# KiCad board jlcpcb_1x1.kicad_pcb (continued)
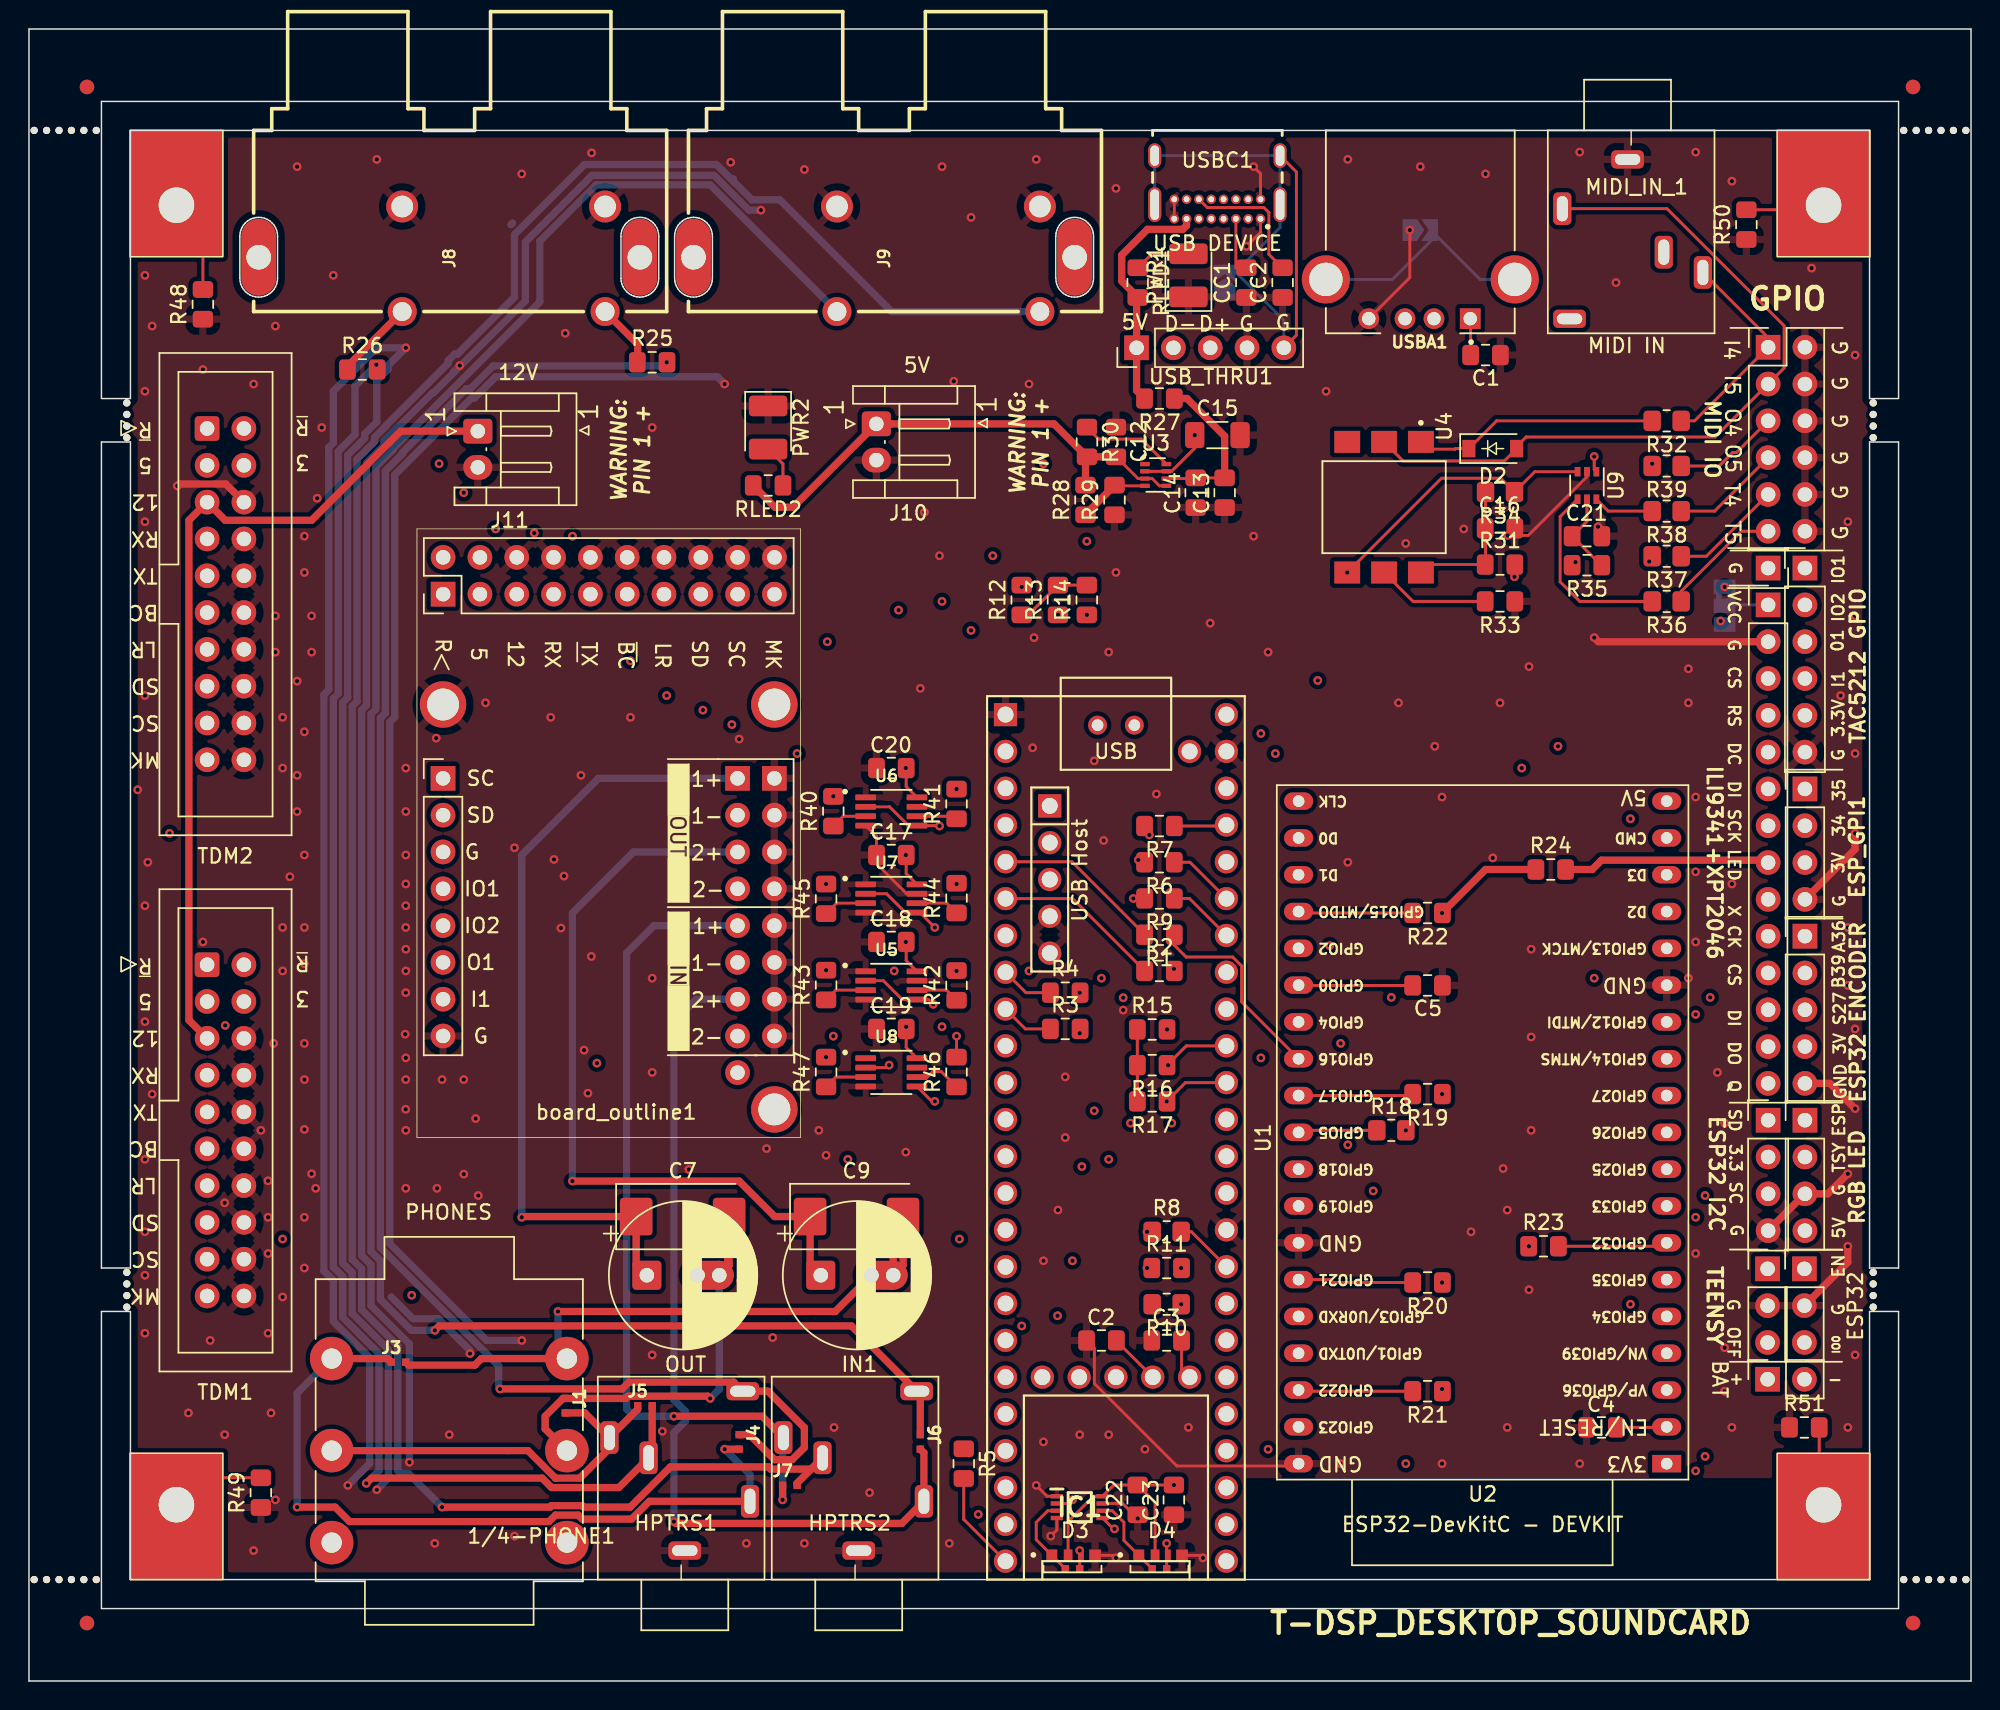
[diagram p0: board, top side]
## Routing (per net, layer and track width the routed paths; a pad name or vN(x,y) marks a point on that pad's centre or on a via; arc(x,y) is an arc through that point) (continued)
Board_0-ESP32_IO13_SPI_MOSI: length 58.5
  In2.Cu w0.2: U2.15 111.94,49.5 83.52,49.5 83.02,50 71.69,50 70.69,49 v1(69,49)
  In4.Cu w0.2: U1.13 69,37.83 v1(69,49)
Board_0-ESP32_IO14_SPI_SCK: length 44.9
  In2.Cu w0.2: U1.35 84.36,31.93 114.93,31.93 v1(115,32)
  In4.Cu w0.2: v1(115,32) 115,40.94 U2.12
Board_0-ESP32_IO33_SPI_CS: length 31.7
  Top w0.2: 95.5,40.5 95.4,40.4 U2.28
  In2.Cu w0.2: U2.28 86.4,40.4 83.8,43 83.28,43 83.06,42.78 82.18,42.78 81.96,43 79.01,43 78.87,43.14 78.33,43.14 78.19,43 71,43 69.5,41.5 69.5,40.87 U1.12
Board_0-ESP32_LED: length 48.9
  Top w0.2: v1(72,12.5) 71.75,12.25 70.92,12.25
  In2.Cu w0.2: v1(95,15) 94.15,14.15 86.85,14.15 86.51,14.49 79.51,14.49 79,15 74.5,15 v1(72,12.5)
  In4.Cu w0.2: v1(95,38) v1(95,15)
Board_0-ESP32_LED+: length 5.8
  Top w0.2: D4.1 D4.1 75.55,9.7 75.55,10.95 74.75,11.75 IC1.6
Board_0-ESP32_LED_OUT: length 81.3
  Top w0.2: v1(78.5,9.5) 78.5,8.75 D4.3 78.5,8.59 D4.3
  In2.Cu w0.2: J12.1 121.44,39.8 114,39.8 113.7,39.5 85.49,39.5 84.84,40.15 81,40.15 80.35,39.5 79.42,39.5 79.27,39.35 78.84,39.35 78.49,39 77.5,39 77,38.5 v1(76,38.5)
  In4.Cu w0.2: v1(78.5,9.5) 77.65,10.35 77.65,19.37 76.49,20.53 76.49,23.48 77.79,24.79 77.79,37.21 76.5,38.5 v1(76,38.5)
Board_0-GND: length 471.4
  Top w0.2: U9.2 107.5,83.1 103.45,79.05 v1(102.03,79.05) ; USBA1.4 95.28,96.84 v1(95.28,100.12) ; U7.7 60.56,54.33 58.47,56.41 C17.2 58.47,58.28 U6.4 ; v1(70.5,10) 70.92,10.42 70.92,11.25 ; v1(75,8.5) 74.82,8.67 D3.4 ; C21.1 108.5,79 108.26,79.24 v1(108.26,79.66) ; v1(84.5,104.5) 84.97,104.03 USBC1.B12 ; v1(81,8.5) 80.82,8.67 D4.4 ; v1(84,99) 84.97,99.97 USBC1.A1 ; C2.2 73.51,22.96 73.51,20.53 79.21,14.84 87.44,14.84 U2.38 ; v1(76.5,11.21) 75.46,12.25 IC1.7 ; 70.92,12.75 70.25,12.75 v1(69.5,13.5) ; USBC1.A12 USBC1.B1
  Top w0.5: v1(126,58.5) 126,57.4 GPI1.4 ; v1(125.5,30) 125.5,28.9 ESP_PROG1.2 ; ESP_R_ENC1.5 124.26,41.24 v1(126,39.5) ; v1(10.23,82.47) 10.36,82.6 13.58,82.6 TDM2.6 ; ESP_I1.4 J12.3 124.12,33.62 v1(125.5,35) ; ILI1.2 108.28,71.72 v1(108,72)
  Bottom w0.5: v1(34,23.5) 31.58,23.5 24.9,30.18 24.9,66.18 25.24,66.52 25.24,83.24 30.53,88.53 30.74,88.53 32.2,90 47.5,90 v1(48,89.5) ; v1(50.5,101.5) 49.67,101.5 47.27,103.9 38.86,103.9 34.25,99.29 34.25,95.23 27.92,88.9 27.85,88.9 24.5,85.55 24.5,85.26 23.29,84.05 23.29,67.33 22.95,66.99 22.95,29.37 23.6,28.72 23.6,25.9 26.25,23.25 v1(26.25,15.1) ; v1(30.43,22.6) 30.43,22.81 28.24,25 26.5,25 25,26.5 ; v1(29.72,90.78) 29.31,90.36 29.31,90.29 ; v1(24,13.2) 24.8,14 24.8,22.86 22.3,25.36 22.3,28.19 21.65,28.83 21.65,67.53 21.99,67.87 21.99,84.58 23.16,85.76 23.16,86.05 24,86.89 24,89.74 24.77,90.5 24.77,90.77 v1(26,92) 24,92 21,89 21,85.43 20.69,85.12 20.69,68.41 20.35,68.07 20.35,28.3 21,27.65 21,24.82 23.5,22.32 23.5,15 v1(22,13.5) ; 33.25,100.5 33.37,100.61
  vias: v1(7.5,61.5) v1(8,97) v1(8,89) v1(8,80) v1(8,68) v1(8,53.5) v1(8,45.5) v1(8,36) v1(8,31) v1(8,28) v1(8,24) v1(8.2,56.5) v1(8.5,93.5) v1(8.5,40.5) v1(11,18.5) v1(12,90.5) v1(12,51) v1(12.5,23.5) v1(13.5,33) v1(13.5,17) v1(15.5,89.5) v1(15.5,9) v1(16,38) v1(16.49,34.52) v1(16.5,32) v1(16.5,29.5) v1(16.5,24) v1(16.7,18.5) v1(16.88,44) v1(17,93.5) v1(17,73.5) v1(17,71) v1(17,12.5) v1(17.5,66.5) v1(17.5,63) v1(17.5,52) v1(17.5,49) v1(17.5,26.5) v1(18,55.5) v1(18.5,104.5) v1(18.5,69) v1(18.5,62.5) v1(18.5,60) v1(19,79) v1(19,76.5) v1(19,65.5) v1(19,57) v1(19,52) v1(19,49.5) v1(19,44) v1(19,41.5) v1(19,38.06) v1(19,32) v1(19,28.5) v1(19.5,73.5) v1(19.5,71) v1(19.5,35) v1(19.78,34) v1(19.88,81.62) v1(20.2,86.5) v1(21,97) v1(24,105) v1(26,63) v1(26,60) v1(26,57) v1(26,55) v1(26,53.5) v1(26,52) v1(26,50.5) v1(26,49) v1(26,47.5) v1(25.96,44.63) v1(26,43) v1(26,41.5) v1(25.99,39.45) v1(26,38) v1(26,34) v1(28,9.5) v1(28.1,65.06) v1(28.15,34) v1(28.5,41.5) v1(29,17) v1(30,41.5) v1(30,34.98) v1(30.82,38.82) v1(31,33.5) v1(31.5,67.5) v1(33.5,57.5) v1(33.5,10) v1(34,104) v1(36,66.5) v1(36.23,56.69) v1(36.7,51.96) v1(36.91,55.55) v1(37,93) v1(38.09,62.5) v1(38.3,43.53) v1(38.57,40.56) v1(38.82,105.45) v1(38.8,50) v1(41.5,66.5) v1(43,86.5) v1(43,48.5) v1(43,42) v1(43,22.5) v1(43.7,17.23) v1(45.53,35.3) v1(48.42,104.8) v1(49,65) v1(49.11,27.61) v1(49.5,9.5) v1(50.89,36.74) v1(51.32,23.7) v1(53.5,104.3) v1(53.5,9.5) v1(54.5,38) v1(55,36.28) v1(55.55,17.5) v1(58,13) v1(60.5,36.5) v1(61.5,68.5) v1(61.78,80.65) v1(62.83,77.65) v1(63,104.5) v1(63.5,9.5) v1(63.81,89.69) v1(65,101) v1(69,89.5) v1(69.35,72) v1(69.25,64.4) v1(69.5,105) v1(70,29) v1(70,16.5) v1(71,32.5) v1(71.5,41.69) v1(71.5,37.5) v1(72.5,17) v1(73.5,63.5) v1(74.15,58) v1(74.5,71) v1(74.5,17) v1(75,103) v1(75,76.5) v1(75.5,46.3) v1(77,16) v1(77.79,61.21) v1(80,17.5) v1(81.5,73) v1(84.5,79) v1(85.5,71) v1(89.5,89) v1(90.5,15) v1(91,105) v1(91,56.5) v1(94.5,67.5) v1(95,78.5) v1(96,104.5) v1(97,64.5) v1(97.5,61) v1(97.5,15) v1(99,79.5) v1(99.5,31) v1(100.5,104) v1(101,56.8) v1(101.5,67.5) v1(101.72,35.37) v1(102,32.5) v1(102,17.5) v1(103.5,70) v1(103.5,27) v1(103.65,50.5) v1(103.65,44.44) v1(103.65,38) v1(107,105.5) v1(107,15) v1(109.5,96.5) v1(114.5,69.85) v1(114.5,67.5) v1(114.5,48.5) v1(115,105.5) v1(115,61) v1(115,55.84) v1(115,51) v1(115,29.5) v1(116.5,42) v1(117,38.5) v1(117,23) v1(117,20) v1(117.5,103.5) v1(117.5,55) v1(117.5,17.5) v1(123,97.5) v1(125,68) v1(125.5,80) v1(125.5,52) v1(125.5,48) v1(125.5,17.5) v1(126,91.5) v1(126,73.5) v1(126,64) v1(126,45) v1(126,22.5)
Board_0-HOST_5V: length 56.9
  Top w0.2: USBA1.1 99.47,93.98 C1.1
  In4.Cu w0.5: USBA1.1 99.44,95.06 98,96.5 93.36,96.5 79,82.14 79,67.2 72.19,60.39 U1.55
Board_0-HOST_D1+: length 56
  In4.Cu w0.2: U1.57 72.81,55.31 81.57,64.07 81.57,64.71 82.5,65.64 83.14,65.64 84,66.5 84,76 98,90 98,94.48 97.5,94.97 95.91,94.97 USBA1.3
Board_0-HOST_D1-: length 48.3
  In4.Cu w0.2: U1.56 72.35,57.85 75,60.5 75,60.56 79.94,65.5 80,65.5 80.47,65.97 80.47,77.53 USBA1.2
Board_0-LRCK1: length 23
  Top w0.2: v1(62.39,46.7) 62.07,47.03 U5.5 60.26,47.03 58.96,48.33 U5.2
  In2.Cu w0.2: v1(76.2,54) 70,54 68.43,52.43 68.43,51.01 67.82,50.4 67,50.4 63.3,46.7 v1(62.39,46.7)
Board_0-LRCK1+TDM1: length 86.2
  Top w0.2: R42.2 v1(64,49)
  In2.Cu w0.2: v1(44,68) 33.54,68 31.5,70.04 27.22,70.04 27.05,70.2 24.82,70.2 24.65,70.04 13.44,70.04 TDM2.13 ; v1(60,73.9) 44.92,73.9 43.81,75 ; v1(64,49) v1(59.7,49)
  In4.Cu w0.2: v1(59.7,49) 59.7,73.6 v1(60,73.9) ; v1(44,68) 43.81,68.19 43.81,75
Board_0-LRCK1+TDM2: length 55
  In2.Cu w0.2: v1(13.54,45.24) 13.8,45.5 21.1,45.5 21.55,45.96 22.01,45.96 22.02,45.95 22.03,45.96 22.57,45.96 22.95,45.58 22.95,45.5 28,45.5 28.11,45.61 51.56,45.61 v1(55,49.05)
  In4.Cu w0.2: TDM1.13 13.54,35.44 v1(13.54,45.24)
Board_0-MCLK1: length 21.2
  Top w0.2: v1(62.83,59) 62.8,59.03 U6.5 60.68,59.03 59.38,60.33 U6.2
  In2.Cu w0.2: v1(62.83,59) 63.81,58.02 67.82,58.02 68.79,58.99 76.7,58.99 v1(77.3,58.39)
Board_0-MCLK1+TDM1: length 80.6
  Top w0.2: v1(64,61.55) 64,62
  In2.Cu w0.2: v1(53,64) 46,64 43.19,61.19 14.67,61.19 TDM2.19 ; v1(63,74.5) 62.5,75 51.44,75
  In4.Cu w0.2: v1(53,64) 53.28,64.28 53.28,73.15 51.44,75 ; v1(63,74.5) 63,72.92 62.85,72.77 62.85,62.65 64,61.5 v1(64,61.55)
Board_0-MCLK1+TDM2: length 80.2
  In2.Cu w0.2: v1(9.7,58.49) 52.94,58.49 v1(55.5,61.05)
  In4.Cu w0.2: TDM1.19 10.49,28.37 10.49,52.98 10.5,52.99 10.5,58.19 10.2,58.49 v1(9.7,58.49)
Board_0-MIDI_IN_4: length 15.1
  Top w0.2: MIDI_IN_1.2 120,92.7 MIDI_IO1.1 114.92,86.96 R32.1
Board_0-MIDI_IN_5: length 52.5
  Top w0.2: MIDI_IN_1.5 113.02,101.6 121.1,93.52 121.1,90.6 MIDI_IO1.3 116.34,85.84 103.3,85.84 102.65,85.19 D2.2 101.8,84.19 94.81,84.19 U4.2
Board_0-MIDI_OUT_4: length 7.3
  Top w0.2: R39.1 116.62,83.84 117.55,84.77 117.81,84.77 MIDI_IO1.5
Board_0-MIDI_OUT_5: length 7.5
  Top w0.2: R38.1 116.31,80.73 MIDI_IO1.7
Board_0-MIDI_RX: length 59.6
  Top w0.2: v1(90.96,76.5) 97.46,83 101.55,83 R34.1 103.91,83.45 U9.3
  In2.Cu w0.2: v1(66.5,77.65) 66.85,78 89.32,78 90.83,76.5 v1(90.96,76.5)
  In4.Cu w0.2: U1.2 68.5,65.27 68.5,71.5 66.5,73.5 v1(66.5,77.65)
Board_0-MIDI_THRU_4: length 7.8
  Top w0.2: MIDI_IO1.9 115.73,77.62 R37.1
Board_0-MIDI_THRU_5: length 8.4
  Top w0.2: MIDI_IO1.11 118.14,79.34 114,75.2 R36.1
Board_0-MIDI_TX_T: length 62.8
  Top w0.2: v1(108,84.5) 108,83.6 U9.1
  In2.Cu w0.2: v1(70,84) 107.5,84 v1(108,84.5)
  In4.Cu w0.2: v1(70,84) 70,64.23 U1.3
Board_0-Net-(1/4-PHONE1-PadR): length 33.2
  Top w0.5: C7.2 48.31,28.68 C7.2 ; 48.03,28 48.21,28.17 48.21,33 ; v1(47,19.5) 46.84,19.66 41.34,19.66 41.19,19.5 J1.2 36.84,19.5 35.61,18.27 35.61,17.4 1/4-PHONE1.R
  Bottom w0.5: v1(47,19.5) 47.63,20.13 C7.2
Board_0-Net-(1/4-PHONE1-PadRN): length 28.3
  Top w0.5: HPTRS1.2 38.35,18.5 J1.1 ; HPTRS1.2 42,18.75 J5.2 ; HPTRS1.2 40.05,16.05 38,14 36.33,14 34.43,15.9 1/4-PHONE1.RN
Board_0-Net-(1/4-PHONE1-PadT): length 47.2
  Top w0.5: C9.2 55.63,25.5 v1(36.5,25.5) ; 60.5,33 59.63,32.13 C9.2 60.31,28.68 C9.2 ; J3.1 26.2,21.8 30.76,21.8 31.22,22.25 1/4-PHONE1.T
  Bottom w0.5: 1/4-PHONE1.T 36.5,22.86 v1(36.5,25.5)
Board_0-Net-(1/4-PHONE1-PadTN): length 53.3
  Top w0.5: J3.2 24.75,22.25 1/4-PHONE1.TN ; v1(48,16) J4.1 ; v1(18.5,12) 21.12,12 22.12,11 35.88,11 36.33,11.45 37.9,11.45 38.18,11.18 41.58,11.18 42.8,12.4 HPTRS1.5
  Bottom w0.5: HPTRS1.5 49.75,14.25 v1(48,16) ; v1(18.5,12) 18.5,19.86 1/4-PHONE1.TN
Board_0-Net-(BAT1-Pin_1): length 53.9
  In2.Cu w0.2: BAT1.1 118.37,19.23 109.65,19.23 109.17,18.74 86.26,18.74 85.09,19.92 76.67,19.92 76.05,20.53 76.05,21.41 74.61,22.85 71.8,22.85 U1.50
Board_0-Net-(BAT1-Pin_2): length 53.2
  In2.Cu w0.2: U1.52 80.12,15.85 81.17,15.85 82.18,14.84 83.06,14.84 84.86,16.64 110.11,16.64 112,18.53 118.66,18.53 119.01,18.88 120.56,18.88 121.05,19.37 122.25,19.37 122.5,19.62 BAT1.2
Board_0-Net-(C16-Pad2): length 9.7
  Top w0.2: U4.6 96.59,77.05 100.5,77.05 R34.2
Board_0-Net-(D1-Pin_1): length 125.9
  In2.Cu w0.2: v1(30,82) 32.15,82 35.5,85.35 108.05,85.35 115.5,77.9 121.44,77.9 D1.1
  In4.Cu w0.2: board_outline1.40 30.66,56.76 30.66,73.9 30,74.56 v1(30,82)
Board_0-Net-(D1-Pin_2): length 125.1
  In2.Cu w0.2: D1.2 121.3,75.5 117.92,75.5 117.27,74.85 116.73,74.85 116.08,75.5 111.5,75.5 104,83 36,83 32.5,79.5 v1(32.2,79.5)
  In4.Cu w0.2: v1(32.2,79.5) 32.5,79.2 32.5,56.06 board_outline1.41
Board_0-Net-(D1-Pin_3): length 125.2
  In2.Cu w0.2: D1.3 121.44,72.82 119.54,72.82 119.22,72.5 109.5,72.5 100.5,81.5 37.14,81.5 v1(34.86,79.22)
  In4.Cu w0.2: v1(34.86,79.22) 34.86,55.88 board_outline1.42
Board_0-Net-(D1-Pin_4): length 126.3
  In2.Cu w0.2: v1(37.5,79) 38.5,80 96,80 105.5,70.5 121.22,70.5 D1.4
  In4.Cu w0.2: board_outline1.43 29.77,47.05 37.5,54.78 v1(37.5,79)
Board_0-Net-(D2-K): length 17.3
  Top w0.2: 95.54,85 98.39,85 98.43,85.05 D2.1 101.26,86.96 R32.2
Board_0-Net-(GPI1-Pin_1): length 59.9
  In2.Cu w0.2: GPI1.1 121.1,63 121.1,64.56 120.46,65.2 119.54,65.2 118.81,64.47 105.53,64.47 v1(105.5,64.5)
  In4.Cu w0.2: v1(105.5,64.5) 105.5,35.5 111.9,29.1 111.9,28.4 112.6,27.7 U2.6
Board_0-Net-(GPI1-Pin_2): length 68.5
  In2.Cu w0.2: v1(103,63) 120.12,63 121.1,62.02 121.1,60.96 121.45,60.6 121.45,60.11 GPI1.2
  In4.Cu w0.2: 103,39.5 103,35 111.17,26.83 111.33,26.83 U2.5 ; 103,39.5 v1(103,63) ; 103,39.5 103,35.16
Board_0-Net-(HPTRS1-Pad3): length 104.9
  Top w0.5: v1(23.27,13.64) 23.63,14 35.41,14 36.06,13.35 40.7,13.35 HPTRS1.3 43,15.65 J5.1 ; R26.2 24.03,90.78 v1(23.97,90.83)
  Bottom w0.5: v1(23.27,13.64) 24.15,14.52 24.15,22.59 21.65,25.09 21.65,27.92 21,28.56 21,67.8 21.34,68.14 21.34,84.85 22.5,86.01 22.5,89.37 v1(23.97,90.83)
Board_0-Net-(HPTRS1-Pad4): length 118.9
  Top w0.5: J4.2 49.72,17 51.44,15.27 52.66,15.27 53.5,16.12 53.5,17.48 50.98,20 HPTRS1.4 48.63,20.62 41.4,20.62 40.93,20.16 v1(32.5,20.16) ; R25.2 v1(44,91)
  Bottom w0.5: v1(44,91) 43.75,90.75 32.03,90.75 30.47,89.18 30.18,89.18 25.8,84.8 25.8,84.72 24.59,83.51 24.59,66.79 24.25,66.45 24.25,29.91 32.4,21.76 32.4,20.25 v1(32.5,20.16)
Board_0-Net-(HPTRS2-Pad3): length 168.5
  Top w0.5: v1(28.5,12) 35.96,12 36.06,12.1 38.17,12.1 38.27,12 41.48,12 44.26,14.78 51.02,14.78 51.17,14.62 53.97,14.62 HPTRS2.3 53,13.65 J7.1
  Bottom w0.5: J9.T1 59.52,94.5 51.81,102.21 49.89,102.21 48.6,103.5 48.6,103.65 48.44,103.65 47.44,104.65 38.33,104.65 33.5,99.82 33.5,95.5 29.58,91.58 29.39,91.58 28.92,91.11 28.92,90.92 24.65,86.65 24.65,86.62 23.85,85.82 23.85,85.53 22.64,84.32 22.64,67.6 22.3,67.26 22.3,29.1 22.95,28.45 22.95,25.63 25.45,23.13 25.45,14.52 25.67,14.3 26.2,14.3 v1(28.5,12)
Board_0-Net-(HPTRS2-Pad4): length 146.8
  Top w0.5: v1(28,24.2) 28.3,24.5 56.75,24.5 HPTRS2.4 61.5,19.75 J6.2
  Bottom w0.5: J9.T2 47,103.25 39.13,103.25 35.25,99.37 35.25,95.17 25.15,85.07 25.15,84.99 23.94,83.78 23.94,67.06 23.6,66.72 23.6,29.64 24.25,28.99 24.25,26.33 26.38,24.2 v1(28,24.2)
Board_0-Net-(ILI1-CS): length 55.9
  Top w0.2: 95.5,53 87.7,53 U2.23
  In2.Cu w0.2: ILI1.3 89.06,69.18 v1(88.93,69.05)
  In4.Cu w0.2: U2.23 88,53.1 89,54.1 89,68.97 v1(88.93,69.05)
Board_0-Net-(ILI1-DC): length 48.3
  In2.Cu w0.2: ILI1.5 119.75,63.85 86.15,63.85 v1(86,64)
  In4.Cu w0.2: U2.24 86,52.16 v1(86,64)
Board_0-Net-(ILI1-LED_(3.3V)): length 14.3
  Top w0.5: R24.2 107.86,56 108.5,56.64 119.84,56.64 ILI1.8
Board_0-Net-(ILI1-RESET): length 56.5
  In2.Cu w0.2: ILI1.4 118.74,65.38 v1(85,65.38)
  In4.Cu w0.2: U2.26 85,48.08 v1(85,65.38)
Board_0-Net-(ILI1-SCK): length 56.1
  In2.Cu w0.2: v1(89.75,50.75) 91.25,52.25 119.15,52.25 ILI1.10 118.9,52.5 118.9,57.92 ILI1.7
  In4.Cu w0.2: U2.30 87.6,36.26 89.75,38.41 v1(89.75,50.75)
Board_0-Net-(ILI1-SDI(MOSI)): length 74.7
  In2.Cu w0.2: ILI1.12 119.15,47.17 v1(116,47.17) v1(94,47.17)
  In4.Cu w0.2: v1(94,47.17) 94,23.94 U2.37 ; v1(116,47.17) 116,57.56 ILI1.6
Board_0-Net-(ILI1-SDO(MISO)): length 56.9
  In2.Cu w0.2: v1(90.5,44) 90.71,43.79 119.99,43.79 ILI1.13
  In4.Cu w0.2: U2.31 90,35.18 90,38.16 90.5,38.66 v1(90.5,44) ; ILI1.9 117.44,53.94 117,53.5 117,45.5 118.72,43.78 ILI1.13
Board_0-Net-(ILI1-T_CS): length 40.8
  Top w0.2: U2.7 112.76,30 105.5,30
  In2.Cu w0.2: v1(108,48.5) 111.5,48.5 112.71,49.71 119.15,49.71 ILI1.11
  In4.Cu w0.2: v1(108,48.5) 108,35.24 U2.7
Board_0-Net-(ILI1-VCC_(5V)): length 3
  Bottom w0.2: ILI1.1 117.06,74.26 ILI_VCC1.2
Board_0-Net-(J8-PadT1): length 4.4
  Top w0.5: 42,91 42,92.25 J8.T1
Board_0-Net-(J8-PadT2): length 5.6
  Top w0.5: J8.T2 22,90.75 22,90.5
Board_0-Net-(PWR1-A): length 3.9
  Top w0.2: PWR1.2 77.49,98.49 76.5,97.5
Board_0-Net-(PWR2-A): length 2.9
  Top w0.2: RLED2.1 52.03,83.99 PWR2.2
Board_0-Net-(R12-Pad1): length 5.3
  Top w0.2: R14.2 R13.2 68.95,73.57 R12.1
Board_0-Net-(R15-Pad1): length 5
  Top w0.2: R17.2 R16.2 R15.1
Board_0-Net-(R33-Pad2): length 7.8
  Top w0.2: U4.5 95.5,74.5 100.5,74.5
Board_0-Net-(R36-Pad2): length 13.1
  Top w0.2: U9.4 105.65,80.35 105.65,75.85 107,74.5 R36.2
Board_0-Net-(R38-Pad2): length 4.2
  Top w0.2: R38.2 108.97,80.73 U9.6
Board_0-Net-(R48-Pad2): length 6.6
  Top w0.2: board_outline2.1 12,100.02 R48.2
Board_0-Net-(R49-Pad2): length 6.6
  Top w0.2: R49.2 12.03,14.03 board_outline2.2
Board_0-Net-(R50-Pad2): length 5.5
  Top w0.2: board_outline2.3 123.51,101.53 R50.2
Board_0-Net-(R51-Pad2): length 5.5
  Top w0.2: board_outline2.4 123.53,12.46 R51.2
Board_0-Net-(U1-3_LRCLK2): length 11.7
  Top w0.2: U1.5 71.97,56.53 77,51.5
Board_0-Net-(U1-4_BCLK2): length 11.7
  Top w0.2: 77,49 72.01,53.99 U1.6
Board_0-Net-(U1-6_OUT1D): length 3.7
  Top w0.2: 70.5,47.5 68.79,47.5 U1.8
Board_0-Net-(U1-7_RX2_OUT1A): length 3.7
  Top w0.2: U1.9 68.75,45 70.5,45
Board_0-Net-(U1-20_A6_TX5_LRCLK1): length 4.7
  Top w0.2: 79,54 80.07,54 U1.42
Board_0-Net-(U1-21_A7_RX5_BCLK1): length 4.7
  Top w0.2: U1.43 80.11,56.5 79,56.5
Board_0-Net-(U1-23_A9_CRX1_MCLK1): length 3.6
  Top w0.2: 79,59 82.55,59 U1.45
Board_0-Net-(U1-32_OUT1B): length 6.9
  Top w0.2: U1.24 64.5,11.15 64.5,14
Board_0-Net-(U1-33_MCLK2): length 20.8
  In4.Cu w0.2: U1.25 78,12.89 78,19.94 78.59,20.53 78.59,21.41 78,22 78,24.5 v1(79.5,26)
Board_0-Net-(U1-41_A17): length 4.1
  Top w0.2: U1.33 80.21,31 R8.2
Board_0-Net-(U2-*GPIO5): length 5.5
  Top w0.2: R18.1 87.74,38 U2.29
Board_0-Net-(U3-PR1): length 4.9
  Top w0.2: 74.9,82.5 74.92,82.47 U3.4
  Top w0.5: 72.9,80.5 74.9,82.5
Board_0-Net-(U3-ST): length 6.5
  Top w0.2: 73,86.5 73.8,85.7 76.76,85.7 U3.8
Board_0-Net-(U5-1Y): length 3
  Top w0.2: R42.1 63.3,47.67 U5.6
Board_0-Net-(U5-2Y): length 3
  Top w0.2: R43.1 55.67,47.67 U5.3
Board_0-Net-(U6-1Y): length 2.8
  Top w0.2: U6.6 63.82,59.67 R41.1
Board_0-Net-(U6-2Y): length 2.5
  Top w0.2: U6.3 56.17,59.67 R40.1
Board_0-Net-(U7-1Y): length 3
  Top w0.2: R44.1 63.32,53.67 U7.6
Board_0-Net-(U7-2Y): length 3
  Top w0.2: U7.3 55.72,53.67 R45.1
Board_0-Net-(U8-1Y): length 3.3
  Top w0.2: R46.1 62.95,42.05 62.35,42.05 61.98,41.67 U8.6
Board_0-Net-(U8-2Y): length 3
  Top w0.2: R47.1 55.67,41.67 U8.3
Board_0-Net-(U9C-VCC): length 5.8
  Top w0.2: U9.5 107.5,80.03 106.47,79 108.47,77 108.5,77
Board_0-Net-(USBC1-CC1): length 4.1
  Top w0.2: 84,97.5 83.3,97.5 83.28,97.53 USBC1.A5
Board_0-Net-(USBC1-CC2): length 9.4
  Top w0.2: 86.5,97.5 85.55,98.45 85.55,101.34 85.21,101.67 81.3,101.67 USBC1.B5
Board_0-SCL0: length 110.4
  In2.Cu w0.2: v1(74,48.5) 82.21,48.5 U1.41 ; v1(71,73.57) 71,75.5 69.5,77 52.45,77 51.89,76.44 50.98,76.44 50.66,76.76 board_outline1.17 ; TDM2.17 13.73,64.67 18.41,64.67 18.73,64.35 19.27,64.35 19.59,64.67 25.78,64.67 25.95,64.5 26.49,64.5 26.66,64.67 27.57,64.67 27.83,64.41 28.37,64.41 28.63,64.67 47.17,64.67 v1(48.5,66)
  In4.Cu w0.2: v1(48.5,66) 48.89,66.39 board_outline1.17 ; v1(74,48.5) 71,51.5 70.22,51.5 68.65,53.07 68.65,61.21 71,63.56 v1(71,73.57)
Board_0-SCL1: length 82.8
  Top w0.2: v1(78.5,40) 79.79,41.29 U1.38
  In2.Cu w0.2: v1(72,29) 70.92,30.08 66.94,30.08 65.29,31.73 60.23,31.73 59.69,31.19 15.93,31.19 14.95,30.21 13.39,30.21 TDM1.17 ; v1(78.5,40) 77.85,39.35 v1(73.5,39.35)
  In4.Cu w0.2: v1(73.5,39.35) 73.5,37.5 72,36 v1(72,29)
Board_0-SDA0: length 123.1
  In2.Cu w0.2: v1(46.5,67) 45.03,65.53 29.34,65.53 30.42,66.62 30.42,68.15 29.34,69.24 27.8,69.24 26.72,68.15 26.72,66.62 25.79,67.55 13.39,67.55 TDM2.15 ; board_outline1.15 47.79,76.44 47.79,78.29 48.14,78.64 72.98,78.64 v1(72.99,78.65) ; U1.40 76.28,46.37 v1(75.5,47.15)
  In4.Cu w0.2: board_outline1.15 46.35,67.14 v1(46.5,67) ; v1(72.99,78.65) v1(72.99,73.57) 72.83,73.41 72.83,64.89 69,61.06 69,55.26 70.43,53.82 70.87,53.82 75.5,49.19 v1(75.5,47.15)
Board_0-SDA1: length 75.4
  Top w0.2: R16.1 79.85,43.83 U1.39
  In2.Cu w0.2: v1(78.6,42.49) 73.99,42.49 68.76,37.26 66.26,37.26 61.75,32.75 14.25,32.75 13.15,31.65 TDM1.15
Board_0-TEENSY_LED: length 22.6
  Top w0.2: IC1.5 74.82,10.5 v1(74.9,10.5)
  In4.Cu w0.2: v1(77.14,31) 77.14,30.64 76.05,29.55 76.05,14.55 75.5,14 75.5,11.1 v1(74.9,10.5)
Board_0-TEENSY_LED+: length 5.8
  Top w0.2: D3.1 D3.1 69.5,9.75 69.5,10.95 70.3,11.75 70.92,11.75
Board_0-TEENSY_LED_OUT: length 80.9
  Top w0.2: v1(72.5,9.01) 72.58,8.93 D3.3 72.5,8.59 D3.3
  In2.Cu w0.2: v1(72.65,35.5) 72.65,35.65 74.5,37.5 82.82,37.5 84.15,36.17 118.17,36.17 119.26,37.26 121.44,37.26 J12.2
  In4.Cu w0.2: v1(72.65,35.5) 72.65,35.35 73.51,34.49 73.51,10.51 72.5,9.5 v1(72.5,9.01)
Board_0-USB_SHIELD: length 42.8
  Top w0.2: USB_THRU1.5 87.45,92.87 87.45,104.13 USBC1.S1
  Bottom w0.2: 83.25,97.22 86.59,93.9 USB_THRU1.5 ; 83.25,97.22 86.32,100.3 USBC1.S3 USBC1.S1 USBC1.S2 USBC1.S4 ; 83.25,97.22 G2.2
Board_0-USB_SHIELD2: length 16.3
  Bottom w0.2: 89.48,96.72 94.08,96.72 96.72,99.37 G1.2 100.13,96.72 USBA1.5
Board_0-VIN2_SECONDARY: length 11.5
  Top w0.2: U3.6 80.45,82.97 C14.1 C13.1
  Top w0.5: C13.1 82.5,85.9 79.9,88.5 R27.1

## Copper pours and planes (outline as drawn; the poured copper is in the pictures)
Board_0-5V on In5.Cu: 7,107 127,107 127,7 7,7
Board_0-GND on Top, Bottom, In1.Cu, In2.Cu, In3.Cu, In4.Cu, In6.Cu: 7,107 127,107 127,7 7,7

## Text on the board
F.Silkscreen: TEENSY | GPIO | T-DSP_DESKTOP_SOUNDCARD
